# Altium PCB ECU rev B pcb.PcbDoc (part 3 of 6)
Units mil, origin at the board's own origin, x right, y up, seen from the top; angles counter-clockwise.
Board outline 5590.55 x 4937.67 mil, 4 copper layers (Top Layer, GND, Power, Bottom Layer), stack 23.756 mil thick; 577 components, 350 nets, 1799 pads, 680 vias.
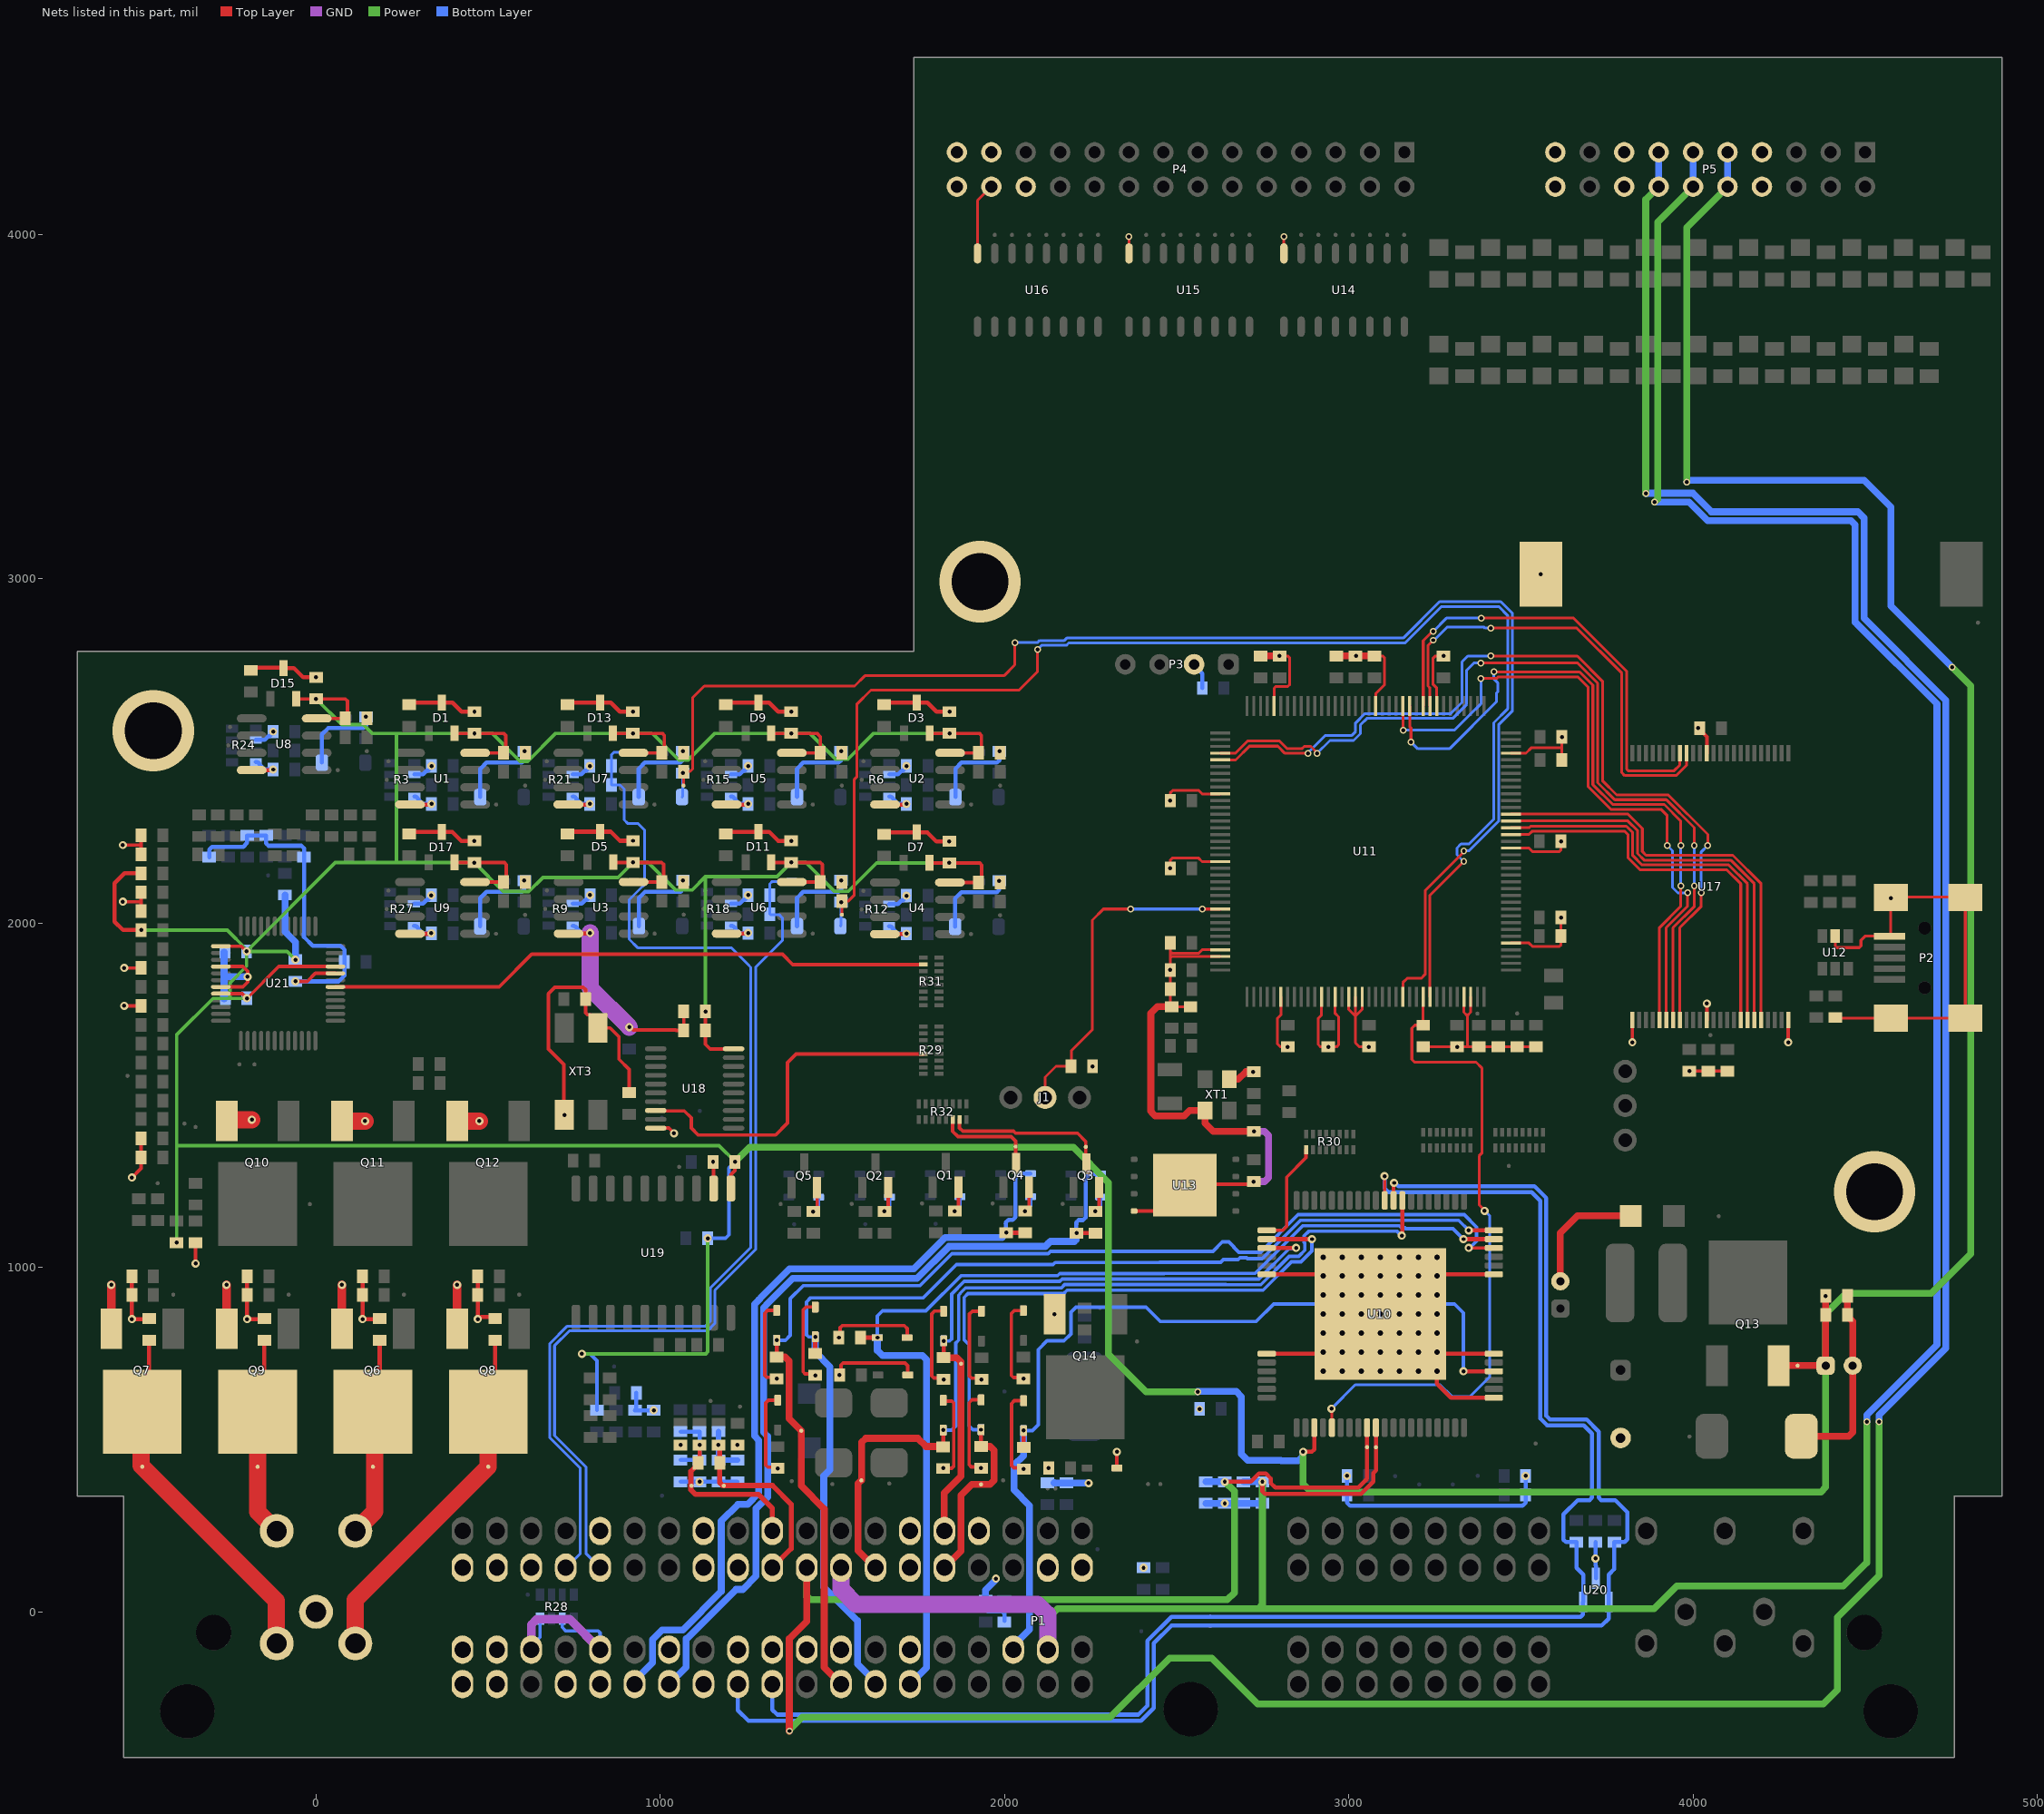
[diagram p5: the nets of this part, all layers, seen from the top]

## Via types
v1: diameter 23.62, hole 11.81, Top Layer to Bottom Layer, tented both sides, 321 vias
v2: diameter 19.68, hole 11.81, Top Layer to Bottom Layer, tented both sides, 296 vias
v3: diameter 23.62, hole 15.75, Top Layer to Bottom Layer, 49 vias
v4: diameter 17.72, hole 11.81, Top Layer to Bottom Layer, tented both sides, 8 vias
v5: diameter 47.24, hole 23.62, Top Layer to Bottom Layer, tented both sides, 2 vias
v6: diameter 236.22, hole 165.35, Top Layer to Bottom Layer, 2 vias
v7: diameter 236.22, hole 165.35, Top Layer to Bottom Layer, tented both sides, 1 vias
v8: diameter 23.62, hole 11.81, Top Layer to Bottom Layer, 1 vias

## Nets (pads, with @x,y where several pads share a name; then routed paths per layer and width w, separated by ;. In a path a pad name is that pad's centre, name@x,y a point inside that pad or via, vN(x,y) a via of type N, cw(c..) or ccw(c..) an arc to the next point about the centre after c; other vN are vias at no path point) (continued)
5V: C1.2 C3.1 C7.2 C9.1 C13.2 C15.1 C19.2 C21.1 C25.2 C27.1 C31.2 C33.1 C37.2 C39.1 C43.2 C45.1 C49.2 C51.1 C76.1 C78.1 C79.2 C127.1 C128.2 C129.2 C136.2 C137.2 C138.2 D1.2 D3.2 D5.2 D7.2 D9.2 D11.2 D13.2 D15.2 D17.2 P5.9 P5.10 Q13.3 R73.1 R87.1 R90.1 R101.2 R113.2 R115.2 TP131.0 U1.8 U2.8 U3.8 U4.8 U5.8 U6.8 U7.8 U8.8 U9.8 U10.3 U18.20 U19.1 U21.21 U21.37 U21.44 | length 22714.3
  Top Layer w10: U21.44@-276.34,1795.47 -214.32,1795.47 v1(-200.6,1781.76) -108.15,1874.21 U21.21@56.34,1874.21 ; U21.37@-276.34,1933.27 -216.7,1933.27 v1(-201.73,1918.3) ; D15.2@-57.2,2652.13 -56.5,2651.42 v1(0.39,2651.42) 85.66,2651.42 91.52,2645.56 91.52,2601.64 C43.2@84.65,2594.76 U8.8@2.13,2594.76 ; D17.2@402.57,2176.76 403.28,2176.05 v1(460.17,2176.05) 547.05,2176.05 552.91,2170.19 552.91,2127.89 C49.2@544.42,2119.39 U9.8@461.9,2119.39 ; D1.2@402.8,2552.13 403.5,2551.42 v1(460.39,2551.42) 545.11,2551.42 550.97,2545.56 550.97,2501.08 C1.2@544.65,2494.76 U1.8@462.13,2494.76 ; D13.2@862.8,2552.13 863.5,2551.42 v1(920.39,2551.42) 1006.09,2551.42 1011.95,2545.56 1011.95,2502.06 C37.2@1004.65,2494.76 ; D5.2@864.02,2176.52 v1(920.91,2176.52) 1003.91,2176.52 1009.76,2170.66 1009.76,2124.47 C13.2@1005.16,2119.87 U3.8@922.64,2119.87 ; U7.8@922.18,2494.71 C37.2@1004.59,2494.71 ; v1(1131.29,1743.97) C76.1@1131.29,1688.94 1131.29,1648.71 1145,1635 1205,1635 1205.16,1635.16 U18.20@1213.19,1635.16 ; U19.1@1205.12,1229.53 1205.12,1229.88 1205,1230 1205,1270 1216.54,1281.54 C79.2@1216.54,1307.09 1216.62,1307 v1(1218,1307) ; D11.2@1322.8,2177.13 1323.5,2176.42 v1(1380.39,2176.42) 1465.36,2176.42 1471.22,2170.56 1471.22,2126.33 C31.2@1464.65,2119.76 U6.8@1382.13,2119.76 ; D9.2@1322.8,2552.13 1323.5,2551.42 v1(1380.39,2551.42) 1455.39,2551.42 1465.39,2541.42 1465.39,2495.51 C25.2@1464.65,2494.76 U5.8@1382.13,2494.76 ; D7.2@1782.4,2175.71 1783.11,2175 v1(1840,2175) 1928.13,2175 1933.99,2169.14 1933.99,2128.08 C19.2@1924.25,2118.35 U4.8@1841.73,2118.35 ; D3.2@1782.8,2552.13 1783.5,2551.42 v1(1840.39,2551.42) 1927.3,2551.42 1933.16,2545.56 1933.16,2503.28 C7.2@1924.65,2494.76 U2.8@1842.13,2494.76
  Top Layer w12: v1(-507.99,1980) -560.47,1980 -585.14,2004.67 -585.14,2116.28 -556.42,2145 R113.2@-507.99,2145 ; v1(2867.41,465) 2892.97,465 2900,472.03 U10.3@2899.96,535
  Top Layer w20: Q13.3@4249.53,715 4304.18,715 C127.1@4385.63,715 4385.94,715.31 v1(4385.94,917.61)
  Power w10: v1(-507.99,1980) -257.73,1980 v1@-204.34,1926.61 ; v1(-405,1072.01) -405,1354 ; v1(-200.6,1781.76) -250.25,1781.76 ; v1(-59.97,1894.02) -84.24,1918.3 v1(-201.73,1918.3) ; v1(0.39,2651.42) 75.21,2576.6 137.47,2576.6 162.65,2551.42 233.83,2551.42 ; v1(772.44,749.45) 772.44,750.44 773,751 774.55,749.45 1132.13,749.45 1137.99,755.31 v1(1137.99,1085) ; v1(1131.29,1743.97) 1131.29,2135.05 ; v1(1218,1307) 1171,1354 -405,1354 ; v1(1840,2175) 1628.4,2175 1545.72,2092.32 1506.95,2092.32 1422.85,2176.42 v1(1380.39,2176.42) 1339.02,2135.05 1131.29,2135.05 ; v1(1840.39,2551.42) 1620.42,2551.42 1545.6,2476.6 1509.4,2476.6 1434.58,2551.42 v1(1380.39,2551.42) 1158.42,2551.42 1081.13,2474.13 1053.87,2474.13 976.58,2551.42 v1(920.39,2551.42) 696.42,2551.42 615.3,2470.3 592.7,2470.3 511.58,2551.42 v1(460.39,2551.42) 233.83,2551.42 ; -405,1354 -405,1675.54 -298.78,1781.76 -250.25,1781.76 ; -250.25,1781.76 -250.25,1826.53 -201.73,1875.05 v1(-201.73,1918.3) ; v1(-201.73,1918.3) 56.02,2176.05 233.83,2176.05 ; 233.83,2176.05 233.83,2551.42 ; 233.83,2176.05 v1(460.17,2176.05) 544.26,2091.95 617.99,2091.95 658.97,2132.93 877.32,2132.93 v1(920.91,2176.52) 965.49,2176.52 1045.72,2096.28 1092.35,2096.28 1131.11,2135.05 1131.29,2135.05
  Power w20: v1(1218,1307) 1260,1349 2200,1349 2302,1247 2302,748 2411,639 v2(2561,639) ; v1(2867.41,465) 2867.41,371.59 2890.75,348.25 4371.88,348.25 4385.83,362.2 4385.83,557.3 4385.63,557.5 C127.1@4385.63,715 4385.63,865.63 4445,925 4692.56,925 4806.83,1039.27 4806.83,2689.17 v2(4753,2743) ; v2(3982,3281) 3981.83,3281.17 3981.83,4020.69 P5.10@4100.41,4139.27
  Bottom Layer w10: v1(772.44,749.45) 796.06,749.45 816.34,729.17 R87.1@816.34,585.12 ; v1(1137.99,1085) 1190,1085 1200,1095 1200,1289 v1(1218,1307)
  Bottom Layer w20: R90.1@-90,2082.01 -90,1975.03 -60,1945.03 v1(-59.97,1894.02) ; v2(2561,639) 2560,640 2673,640 2688,625 2688,459 2707,440 2803,440 2804,439 2854,439 2867,452 2867,464.59 v1(2867.41,465) ; v2(3982,3281) 3987,3286 4497.77,3286 4575,3208.77 4575,2921 v2(4753,2743) ; P5.10@4100.41,4139.27 P5.9@4100.41,4239.27
5V1: C131.2 C133.2 P1.33 P5.13 P5.14 TP133.0 U10.9 | length 11346.2
  Top Layer w12: v1(2640,378.02) 2715.7,378.02 2739.52,401.83 2759.24,401.83 2773.19,387.88 2773.19,374.28 2786.7,360.76 3028.26,360.76 3053.5,386.01 TP133.0@3053.5,478.5 U10.9@3053.5,535
  Top Layer w20: v2(1375,-346) 1375,-78 1425.59,-27.41 P1.33@1425.59,128.35
  Power w20: v2(1375,-346) 1375,-343 1412,-306 2307.67,-306 2479.73,-133.94 2602.95,-133.94 2736.19,-267.18 4379.25,-267.18 4420,-226.43 4420,-16 4541,105 v2(4541,552) ; P1.33@1425.59,128.35 1424,126.76 1424,46.72 1435.72,35 2647,35 2667.81,55.81 2667.81,350.2 v1(2640,378.02) ; v2(3863,3248) 3863,4101.86 P5.14@3900.41,4139.27
  Bottom Layer w8: P5.14@3896.83,4139.27 P5.14@3900.41,4139.27
  Bottom Layer w20: C131.2@2585,378.02 v1(2640,378.02) ; v2(3863,3248) 3863.84,3248.84 3999.99,3248.84 4053.84,3195 4478.46,3195 4497,3176.46 4497,2885.56 4509,2873.56 4735,2647.56 4735,765.23 4541,571.23 v2(4541,552) ; P5.14@3896.83,4139.27 3900.41,4142.85 P5.13@3900.41,4239.27
5V2: C130.2 C132.2 P1.32 P1.45 P5.11 P5.12 TP132.0 U10.10 | length 9159.5
  Top Layer w12: v1(2749.38,378.02) 2749.38,349.79 2756.41,342.76 3035.71,342.76 3071.5,378.55 3071.5,403.36 3079.09,410.95 TP132.0@3079.09,477.84 U10.10@3079.09,535
  Top Layer w50: P1.32@1525.59,128.35 1525.59,127.41 P1.32@1526,127
  GND w50: P1.32@1525.59,128.35 1525.59,65.62 1569.63,21.58 2096.3,21.58 2125.59,-7.71 P1.45@2125.59,-109.84
  Power w20: P1.45@2125.59,-109.84 2126,-109.43 2126,-19 2154,9 2737.66,9 ; v1(2749.38,378.02) 2749.38,20.72 2737.66,9 ; v2(3889,3222.84) 3898,3231.84 3898,4036.86 P5.12@4000.41,4139.27 ; v2(4505,552) 4505,143 4437,75 3952.95,75 3886.95,9 2737.66,9
  Bottom Layer w20: C130.2@2694.38,378.02 v1(2749.38,378.02) ; v2(3889,3222.84) 3989.22,3222.84 4043.07,3169 4459.28,3169 4471,3157.28 4471,2874.79 4479,2866.79 4709,2636.79 4709,776 4505,572 v2(4505,552) ; P5.12@4000.41,4139.27 P5.11@4000.41,4239.27
\CS: R29.13 U18.8 | length 1025.5
  Top Layer w10: U18.8@986.81,1456.02 1003.98,1456.02 1005,1455 1005.3,1455.3 1014.81,1455.3 1015.11,1455 1070,1455 1090,1435 1090,1405 1110,1385 1335,1385 1370,1420 1370,1595 1395,1620 1751.83,1620 1752.19,1620.35 1763.82,1620.35 R29.13@1764.72,1621.26
\L9CS: R30.9 U10.53 | length 308.7
  Top Layer w10: U10.53@2761.89,1108.11 2808.27,1108.11 2819.68,1119.53 2819.68,1262.43 2876.1,1318.84 R30.9@2876.1,1342.36
\LmCS: R31.10 U21.18 | length 1760.1
  Top Layer w10: U21.18@56.34,1815.16 532.02,1815.16 626.86,1910 1355,1910 1385,1880 R31.10@1764.72,1880
\RESET: C61.1 U10.5 U11.27 | length 1918.5
  Top Layer w8: v1(2950,590) 2951.14,588.86 U10.5@2951.14,535 ; U11.27@3216.5,1786.49 C61.1@3216.5,1703.81 3192.28,1703.81 3183.63,1695.17 3183.63,1604.17 3191.5,1596.3 3230.43,1596.3 ; 3230.45,1596.28 3370.08,1596.28 3386.61,1579.75 3386.61,1332.13 3378.74,1324.25 3378.74,1182.52 3394.73,1166.53 v1(3394.73,1164.72)
  Bottom Layer w8: v1(2950,590) 3019.27,659.27 3265.73,659.27 3299.19,625.81 3324.24,625.81 3325.05,625 3351.91,625 3410,683.09 3410,1149.45 v1(3394.73,1164.72)
Absorber: C118.2 P1.46 TP54.0 U10.24 VD23.2 VD39.1 | length 2622.2
  Top Layer w12: C118.2@2055.67,477.83 v2(2055.67,526.45) ; v1(3333.27,698.62) v1(3333.27,698.62) U10.24@3421.89,698.66
  Bottom Layer w10: VD23.2@2055.59,526.37 2081.49,526.37 2098.43,543.31 2098.43,761.72 2123.85,787.15 2172.98,787.15 2193.17,807.34 2193.17,870.14 2208.04,885.02 2411.25,885.02 2453.11,843.16 2496.89,843.16 2497.31,843.57 2731.57,843.57 2782,894 3307.41,894 3333.27,868.14 v1(3333.27,698.62)
  Bottom Layer w20: P1.46@2025.59,-109.84 2025.59,-99.41 2073.09,-51.91 2073.09,308.8 2027.86,354.03 2027.86,426.36 TP54.0@2055.12,453.62 VD23.2@2055.12,515.67 ; VD23.2@2055.59,526.37 v2(2055.67,526.45)
"Air Temp sensor": C38.2 P1.40 R19.1 TP31.0 VD7.2 | length 3352.8
  Bottom Layer w8: P1.40@728.35,129.92 767.72,169.29 767.72,417.28 679,506 679,779 730,830 1131.01,830 1145,843.99 1145,939.99 1263,1057.99 1263,1872 1254.8,1880.2 1206,1929 934.49,1929 910,1953.49 910,2068.24 949.28,2107.52 950.31,2107.52 955,2112.21 955,2270 935,2290 905,2290 895,2300 895,2390 883.58,2401.42 R19.1@858.39,2401.42 C38.2@858.39,2456.42 858.39,2489.41 865.39,2496.42 TP31.0@893.74,2496.42 VD7.2@922.09,2496.42
AirT: C40.2 D14.1 R20.2 TP33.0 U11.24 | length 4177.9
  Top Layer w8: R20.2@1065.64,2437.76 R20.2@1067.64,2439.76 ; TP33.0@1067.64,2400.76 R20.2@1067.64,2439.76 ; v2(2030.05,2815) 2030.05,2750.25 1998.57,2718.77 1594.7,2718.77 1564.95,2689.02 1128.06,2689.02 1094.49,2655.45 1094.49,2448.16 1087.39,2441.06 1067.64,2441.06 R20.2@1067.64,2439.76 ; U11.24@3157.44,1786.49 3157.44,1827.43 3170.39,1840.38 3211.33,1840.38 3222.18,1851.23 3222.18,2094.72 3328.76,2201.3 3328.76,2201.57 3334.49,2207.3 v2(3334.49,2210.46)
  Bottom Layer w8: D14.1@1063.39,2366.42 1065.39,2368.43 v1(1065.39,2436.42) ; v2(2030.05,2815) 2087.71,2815 2087.78,2815.07 2096.04,2815.07 2101.97,2821 2174.06,2821 2181.06,2828 3158.34,2828 3264.18,2933.84 3441.76,2933.84 3476,2899.6 3476,2616.79 3435.53,2576.32 3435.53,2296.32 3349.66,2210.46 v2(3334.49,2210.46)
ALE: U11.82 U17.17 | length 1354.8
  Top Layer w8: U11.82@3216.5,2630.49 U11.82@3216.5,2630.49 3216.54,2820.88 3243.65,2848 v2(3246,2848) ; v2(3385,2886) 3653.45,2886 3807.43,2732.02 3807.43,2447.44 3812.12,2442.76 3945.51,2442.76 3961.84,2459.09 U17.17@3961.84,2494.16
  Bottom Layer w8: v2(3246,2848) 3284,2886 v2(3385,2886)
BOOT0: J1.2 R39.1 U11.135 | length 989
  Top Layer w8: J1.2@2118.11,1493.92 2118.11,1552.98 2149.61,1584.47 R39.1@2192.91,1584.47 2192.91,1588.41 2200.79,1596.28 2198.49,1596.28 2194.61,1600.16 2194.61,1630.02 2255,1690.4 2255,2008.77 2287.4,2041.17 v2(2366.14,2041.17) ; v2(2574.8,2041.17) U11.135@2627.17,2041.17
  Bottom Layer w8: v2(2366.14,2041.17) v2(2574.8,2041.17)
CAN_H: P1.72 R84.2 TP113.0 U10.42 U20.2 | length 4663.3
  Top Layer w10: U10.42@3104.45,1195.24 v1(3104.45,1265.59)
  Bottom Layer w12: P1.72@1325.59,-209.84 1325.59,-284.49 1339.65,-298.55 2389.29,-298.55 2415.55,-272.29 2415.55,-83.9 2484.87,-14.58 TP113.0@2597.33,-14.58 3673.65,-14.58 3680.68,-7.55 U20.2@3680.68,28.49 3682.25,28.49 3681.46,29.28 3681.46,108.21 3661.78,127.9 R84.2@3661.78,202.46 ; v1(3104.45,1265.59) 3104.45,1229.64 3115.55,1218.54 3531.56,1218.54 3556.2,1193.89 3556.2,561.87 3576.89,541.18 3683.19,541.18 3706.81,517.56 3706.81,331.68 3699.78,324.65 3665.79,324.65 3624.13,282.98 3624.13,209.49 3631.16,202.46 R84.2@3661.78,202.46 ; R84.2@3661.78,202.56 R84.2@3661.78,202.46
CAN_L: P1.73 R83.2 TP114.0 U10.41 U20.1 | length 4807.8
  Top Layer w10: U10.41@3130.28,1195 3130.28,1244.17 v1(3132.01,1245.91)
  Bottom Layer w12: P1.73@1225.59,-209.84 1225.59,-285.76 1256.39,-316.55 2396.74,-316.55 2433.55,-279.74 2433.55,-91.35 2484.73,-40.17 TP114.0@2597.33,-40.17 3734.83,-40.17 3755.48,-19.52 U20.1@3755.48,28.49 3755.48,108.06 3771.78,124.35 R83.2@3771.78,202.56 3801.26,202.56 3809.17,210.47 3809.17,289.21 3773.74,324.65 3733.53,324.65 3726.5,331.68 3726.5,523.33 3690.64,559.18 3584.35,559.18 3574.2,569.32 3574.2,1201.35 3539.02,1236.54 3144.52,1236.54 3135.15,1245.91 v1(3132.01,1245.91)
CE_lamp: C122.2 P1.31 TP58.0 U10.40 VD27.2 VD43.1 | length 2595.8
  Top Layer w12: C122.2@1822.21,479.37 v2(1822.21,527.99) ; v1(3154.14,1092.72) 3155.87,1094.44 U10.40@3155.87,1195
  Top Layer w20: TP58.0@1584.39,381.89 1574.8,372.3 1574.8,177.34 1610.24,141.91 P1.31@1610.24,141.73 ; TP58.0@1584.87,382.38 1584.87,492.22 1596.59,503.94 1748.03,503.94 1771.65,480.32 1821.27,480.32 C122.2@1822.21,479.37
  Bottom Layer w10: v2(1822.21,527.99) 1846.89,527.99 1858.27,539.37 1858.27,780.52 1867,789.25 1867,919.63 1871,923.63 1871,925.12 1886.82,940.94 2165.35,940.94 2175.06,950.65 2477.23,950.65 2477.47,950.9 2643.1,950.9 2643.94,950.06 2744.8,950.06 2827.34,1032.59 2832.34,1032.59 2855.01,1032.59 2856.5,1034.08 2872.64,1050.22 2872.64,1070.69 2870.3,1073.03 2870.3,1089.29 2870.3,1091.93 2871.09,1092.72 2883.67,1105.29 3140.7,1105.29 3153.28,1092.72 v1(3154.14,1092.72)
CLE: U11.81 U17.16 | length 1347.1
  Top Layer w8: U11.81@3236.18,2630.49 3236.18,2683.16 3230.54,2688.81 3230.54,2806.82 v2(3245.72,2822) ; v2(3413,2857) 3662.65,2857 3793.43,2726.22 3793.43,2437.28 3801.96,2428.76 3951.31,2428.76 3981.53,2458.97 U17.16@3981.53,2494.16
  Bottom Layer w8: v2(3245.72,2822) 3248.06,2822 3265.84,2839.78 3285.9,2859.84 3393.22,2859.84 3396.06,2857 v2(3413,2857)
Coil1: C85.2 P1.5 Q6.4 TP105.0 | length 579.3
  Top Layer w12: Q6.4@165.39,580.71 185,600.31 C85.2@185,788.03
  Top Layer w50: P1.5@114.17,235.04 170.55,291.42 170.55,421.42 Q6.4@170.55,575.55
Coil2: C87.2 P1.1 Q7.4 TP107.0 | length 1048
  Top Layer w12: Q7.4@-504.61,580.71 -484.79,600.53 C87.2@-484.79,788.24
  Top Layer w50: Q7.4@-507.86,577.46 -507.86,424.67 TP107.0@-504.61,421.42 -115,31.81 -115,-90.91 P1.1@-114.17,-91.73
Coil3: C89.2 P1.2 Q8.4 TP109.0 | length 1052.2
  Top Layer w12: Q8.4@500.39,580.71 519.9,600.22 C89.2@519.9,787.94
  Top Layer w50: P1.2@114.17,-91.73 114.17,35.2 TP109.0@500.39,421.42 500,421.81 Q8.4@500,585
Coil4: C91.2 P1.4 Q9.4 TP111.0 | length 563.8
  Top Layer w12: Q9.4@-150,590 C91.2@-150,785
  Top Layer w50: Q9.4@-170,580.71 -170,290.87 P1.4@-114.17,235.04
ConditD: Q4.3 R32.14 TP72.0 | length 294.5
  Top Layer w10: R32.14@1849.69,1430 1849.69,1395.31 1865,1380 2019.45,1380 2032.32,1367.13 TP72.0@2032.32,1351.31 2032.32,1304.13 2033.99,1302.46 Q4.3@2033.99,1302.29
Conditioner: C119.2 P1.69 TP55.0 U10.32 VD24.2 VD40.1 | length 3376.8
  Top Layer w12: C119.2@1450.12,750.12 v2(1450.12,798.74) ; v1(3348.63,1108.07) 3348.67,1108.11 U10.32@3421.89,1108.11
  Bottom Layer w10: v2(1450.12,798.74) 1431.05,798.74 1425.2,804.59 1425.2,900.14 1437.16,912.1 1764.48,912.1 1860.76,1008.38 2141.28,1008.38 2147.56,1014.65 2450.72,1014.65 2451.37,1015.3 2628.48,1015.3 2636.18,1023 2678.54,1023 2684.06,1028.52 2702.96,1028.52 2705.3,1026.18 2748.55,1026.18 2859.66,1137.29 2864.66,1137.29 2866.84,1137.29 3319.41,1137.29 v1(3348.63,1108.07)
  Bottom Layer w20: v2(1450.12,798.74) TP55.0@1450.12,754.61 1493.21,711.51 1493.21,412.73 1475,394.52 1475,72.24 1573.09,-25.84 1573.09,-151.83 1625.59,-204.33 P1.69@1625.59,-209.84
"Conditioner sensor": C70.2 P1.76 R49.1 TP73.0 VD14.2 | length 2416.2
  Top Layer w12: v1(2005.35,1101.01) C70.2@2060.52,1101.01
  Bottom Layer w12: v1(2005.35,1101.01) 2004.76,1101.6 TP73.0@2004.76,1126.97 2004.76,1131.75 2011.79,1138.78 2024.45,1138.78 2032.32,1146.65 2032.32,1260.83 2044.13,1272.64 VD14.2@2075.63,1272.64
  Bottom Layer w20: P1.76@925.59,-209.84 939.76,-209.84 940.94,-208.66 939.83,-207.55 939.83,-186.15 978.09,-147.89 978.09,-80.33 1005.92,-52.5 1065.61,-52.5 1177.17,59.06 1177.17,263.63 1226.12,312.58 1254.18,312.58 1286.29,344.69 1286.29,498.47 1274.03,510.73 1274.03,893.64 1286.74,906.35 1286.74,907.09 1295.27,915.63 1295.27,915.98 1375.11,995.82 1529.14,995.82 1736.48,995.82 1828.04,1087.38 1992.89,1087.38 v1@2003.94,1098.43
"Coolant Temp sensor": C32.2 P1.39 R16.1 TP26.0 VD6.2 | length 2646.6
  Bottom Layer w8: P1.39@825.59,128.35 784.09,169.84 784.09,420.7 693,511.8 693,773.2 735.8,816 1136.8,816 1159,838.2 1159,934.2 1277,1052.2 1277,1872 1355,1950 1355,2015 1345,2025 1319.8,2025 R16.1@1318.39,2026.42 C32.2@1318.39,2081.42 1318.39,2114.41 1325.39,2121.42 TP26.0@1353.74,2121.42 VD6.2@1382.09,2121.42
CoolantT: C34.2 D12.1 R17.2 TP28.0 U11.28 | length 4000.1
  Top Layer w8: TP28.0@1527.64,2024.73 R17.2@1527.64,2064.76 1547.24,2064.79 1562.99,2080.54 1562.99,2416.51 1570.87,2424.38 1570.87,2635.54 1612.1,2676.77 1616.04,2676.77 2042.37,2676.77 2096,2730.4 v2(2096,2795.23) ; U11.28@3236.18,1786.49 3236.18,2081.16 3333.99,2178.96 v2(3334.49,2178.96) v2@3334.65,2178.96
  Bottom Layer w8: D12.1@1523.39,1991.42 1525.39,1993.43 v1(1525.39,2061.42) ; v2(2096,2795.23) 2107.77,2807 2179.86,2807 2186.86,2814 3164.14,2814 3269.98,2919.84 3435.96,2919.84 3462,2893.8 3462,2622.59 3421.53,2582.12 3421.53,2302.12 3349.71,2230.3 3326.27,2230.3 3314.65,2218.68 3314.65,2198.8 v2(3334.49,2178.96)
CPS_N: C170.1 C171.2 C172.2 C174.2 P1.34 R118.1 TP145.0 | length 680.9
  Top Layer w15: R118.1@1169.29,480.32 1172.83,476.78 1172.83,432.67 1172.83,375.52 TP145.0@1181.41,366.95 ; TP145.0@1185.41,366.95 1325.96,366.95 1380.59,312.32 1380.59,183.35 P1.34@1325.59,128.35